# Altium PCB TIDA-010933-RevA.PcbDoc (part 6 of 9)
Units mm, origin at the board's own origin, x right, y up, seen from the top; angles counter-clockwise.
Board outline 230 x 230 mm, 4 copper layers (Top Layer, Layer 1, Layer 2, Bottom Layer), stack 1.637 mm thick; 776 components, 394 nets, 2295 pads, 2783 vias.
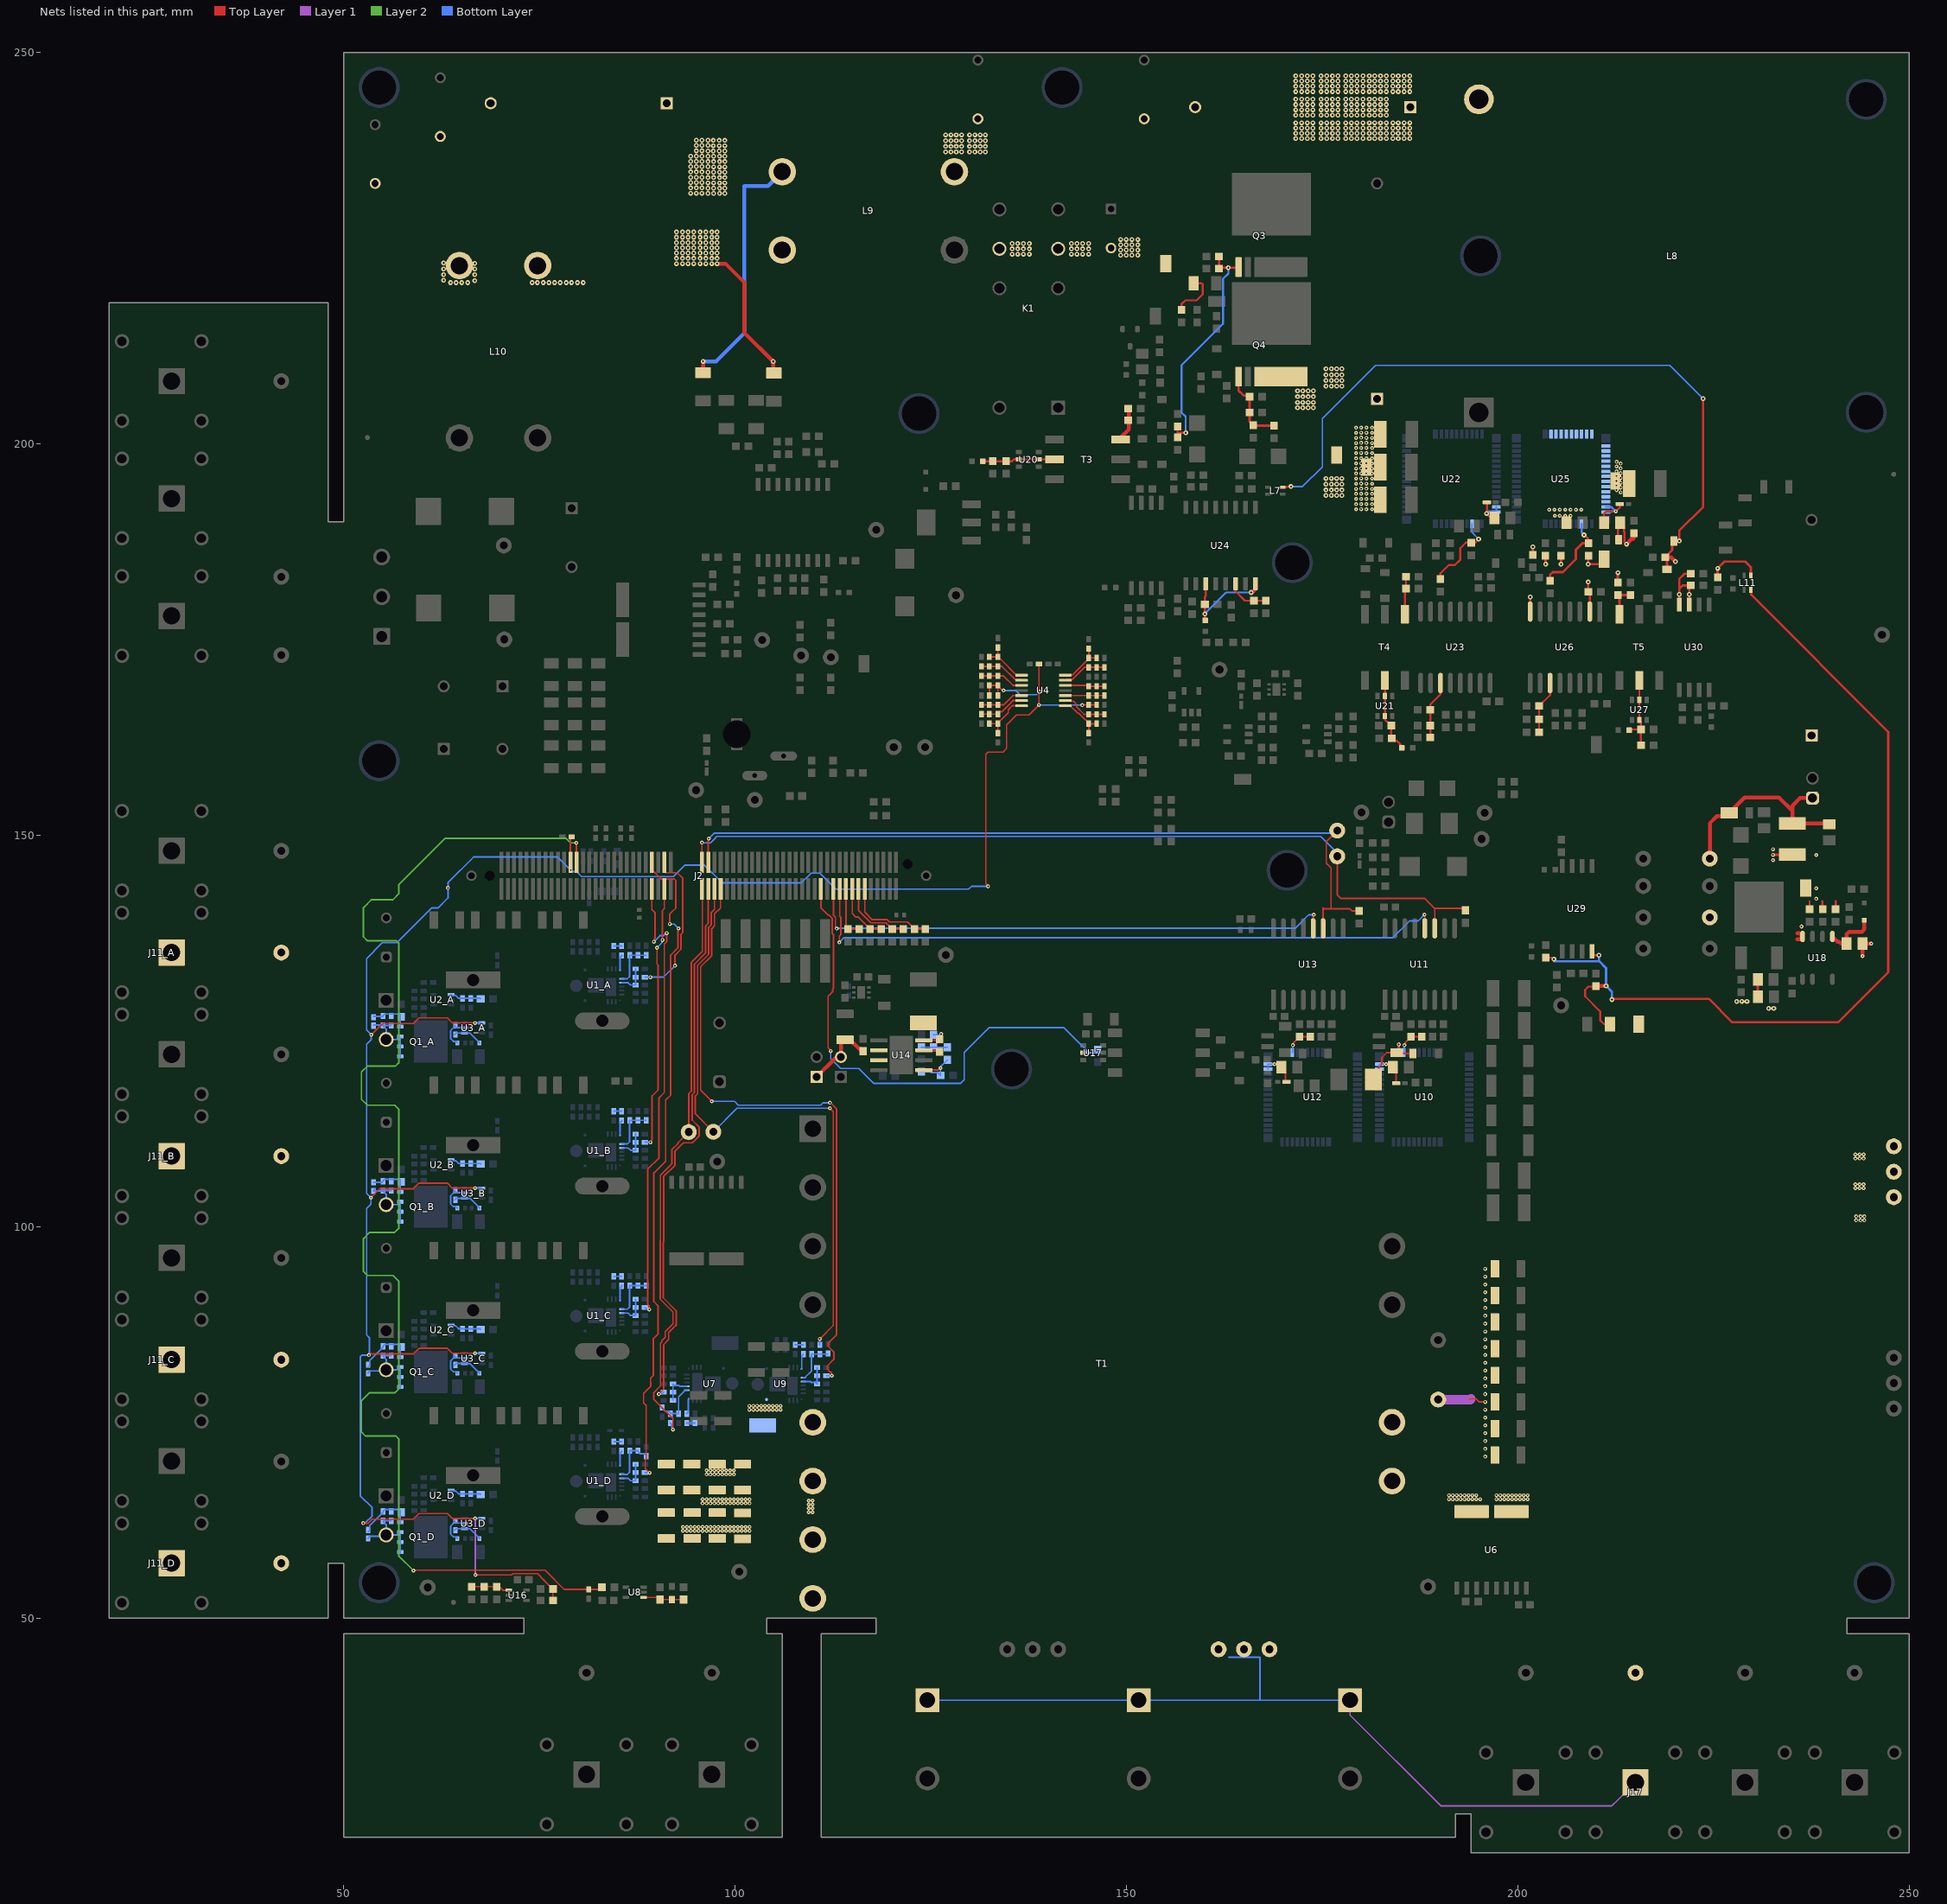
[diagram p8: the nets of this part, all layers, seen from the top]

## Via types
v1: diameter 0.5, hole 0.2, Top Layer to Bottom Layer, tented both sides, 1458 vias
v2: diameter 0.61, hole 0.254, Top Layer to Bottom Layer, tented both sides, 1311 vias
v3: diameter 0.63, hole 0.33, Top Layer to Bottom Layer, 6 vias
v4: diameter 0.5, hole 0.2, Top Layer to Bottom Layer, 4 vias
v5: diameter 0.61, hole 0.203, Top Layer to Bottom Layer, tented both sides, 4 vias

## Nets (pads, with @x,y where several pads share a name; then routed paths per layer and width w, separated by ;. In a path a pad name is that pad's centre, name@x,y a point inside that pad or via, vN(x,y) a via of type N, cw(c..) or ccw(c..) an arc to the next point about the centre after c; other vN are vias at no path point) (continued)
HVN: C118.2 C119.2 C151.2 C152.1 C153.1 C155.1 C157.2 C159.2 C161.1 C166.2 C171.1 C172.1 C173.1 C174.2 C175.1 C178.2 C179.1 C180.2 C181.2 C182.2 C193.2 C195.2 D30.2 D31.2 J17.1 L6.1 L7.2 L11.1 L11.2 Q4.3-4-5-6-7-8 R83.1 R84.1 R85.1 R86.1 R87.1 R115.2 R116.1 R138.1 R140.2 R144.1 TP19.1 TP27.1 TP28.1 TP29.1 TP30.1 TP36.1 TP37.1 TP39.1 TP40.1 TP57.1 TP64.1 TP65.1 TP71.1 TP72.1 U18.4 U25.18 U25.19 U25.20 U25.21 U25.22 U25.23 U25.24 U25.25 U25.26 U25.28 U25.29 U25.30 U25.31 U25.32 U25.33 U25.34 U25.35 U25.36 U25.37 U25.38 U25.39 U26.2 U26.8 U29.4 U30.3 U30.4 | length 366.9
  Top Layer w0.254: L7.2@169.925,194.425 170.376,194.425 170.48,194.529 v2(171,194.529) ; C151.2@201.9,185.8 v2(201.899,186.823) ; C195.2@203.55,134.35 204.279,134.35 204.479,134.15 v2(204.575,134.15) ; U29.4@209.455,134.9 209.705,134.65 v2(210.351,134.65) ; R144.1@209.971,130.724 209.907,130.66 208.972,130.66 208.562,130.25 208.562,129.404 210.5,127.466 210.5,126.335 210.992,125.843 R140.2@211.75,125.843 ; L6.1@212.775,188 212.775,189.659 C159.2@213.016,189.9 213.524,189.392 213.524,188.785 213.581,188.728 213.581,187.443 v2(213.853,187.171) ; R87.1@237.25,140.55 237.25,141.55 ; 238.885,141.55 238.885,140.581 R86.1@238.916,140.55 ; R85.1@240.557,140.55 240.586,140.579 240.586,141.55
  Top Layer w0.305: U26.8@201.555,178.565 v2(201.555,180.436) ; C155.1@203.5,185.7 203.524,185.676 v2(203.524,184.611) ; v2(205.5,184.611) R115.2@205.5,185.7 ; v2(208.946,182.334) 208.946,181.167 C152.1@209.009,181.103 209.175,180.938 U26.2@209.175,178.565 ; C157.2@209,185.7 208.946,185.646 v2(208.946,184.611) 210.436,184.611 210.984,185.159 TP72.1@210.984,185.239 ; v2(212,129) 212.058,129.058 212.274,129.058 212.311,129.095 224.388,129.095 227.388,126.095 240.904,126.095 247.3,132.491 247.3,163.186 229.783,180.703 229.783,181.289 L11.2@229.735,181.336 ; C166.2@212.75,182.27 212.75,183.508 v2(212.775,183.533) ; D31.2@219.025,183.945 219.025,185.275 C161.1@218.8,185.5 219.703,186.403 219.703,187.574 v2(220.595,187.574) 220.595,188.895 223.65,191.95 v2(223.65,205.75) ; U30.4@220.595,179.45 220.595,181.456 ; U30.3@221.865,179.45 v2(221.865,180.74) 221.865,181.712 222.049,181.896 221.035,181.896 220.595,181.456 ; R138.1@222.05,183.397 221.285,183.397 220.595,182.707 220.595,181.456 ; C193.2@225.5,182.936 v2(225.5,184.089) 226.361,184.95 229.017,184.95 229.735,184.232 L11.1@229.735,183.186 ; R84.1@230.634,131.571 230.634,129.392 R83.1@230.655,129.371 ; v1(232.572,147.489) 232.577,147.493 C118.2@235.05,147.493
  Top Layer w0.5: R144.1@209.971,130.724 v2@211.223,130.724 ; v2(213.853,187.171) 214.497,187.815 214.634,187.815 214.807,187.989 R116.1@214.807,188.565 ; C161.1@218.8,185.5 219.555,185.5 v2(220.105,184.95) ; 235.693,136.715 235.96,136.715 235.985,136.69 U18.4@236.345,137.05 235.939,137.456 235.714,137.456 235.693,137.477 ; v1@244.023,134.55 C119.2@244.023,136.147 v1@245.133,136.147
  Layer 1 w0.2: C175.1@178.543,39.5 178.543,37.585 190.127,26 212,26 212.712,26.712 J17.1@215,29
  Bottom Layer w0.2: C179.1@124.543,39.5 C173.1@151.543,39.5 167,39.5 ; 163.043,44.98 167.043,44.98 167.043,39.543 167,39.5 ; v2(171,194.529) 172.479,194.529 175,197.05 175,203.2 175.045,203.245 175.045,203.26 181.785,210 219.4,210 v2(223.65,205.75) ; C175.1@178.543,39.5 167,39.5
  Bottom Layer w0.254: v2@204.575,133.9 210.351,133.9 v2(210.351,134.65)
  Bottom Layer w0.305: 210.351,133.9 211.25,133.001 v2(211.25,130.75) 212,130 v2(212,129)
  other v1: 243.2,100.8 243.75,100.8 244.25,100.8 243.2,101.3 243.75,101.3 244.25,101.3 243.1,104.9 243.65,104.9 244.15,104.9 243.1,105.4 243.65,105.4 244.15,105.4 243.1,108.7 243.65,108.7 244.15,108.7 243.1,109.2 243.65,109.2 244.15,109.2 244.019,134.546 245.129,136.143 236.214,138.328 238.087,141.87 238.091,143.224 232.568,146.796 238.096,147.471 232.568,148.196 204.702,190.8 205.337,190.8 206.023,190.8 206.708,190.8 203.965,191.562 204.651,191.562 205.337,191.562 206.023,191.562 206.708,191.562 207.394,191.562 208.08,191.562 179.308,191.619 181.351,191.619 179.965,191.638 180.628,191.632 179.308,192.269 179.965,192.288 180.628,192.282 181.351,192.269 179.308,192.94 181.351,192.94 179.965,192.958 180.628,192.953 179.308,193.59 179.965,193.608 180.628,193.603 181.351,193.59 213.119,193.797 212.587,194.082 179.308,194.24 181.351,194.24 179.965,194.258 180.628,194.253 213.119,194.406 212.587,194.652 179.308,194.89 180.628,194.903 181.351,194.89 179.965,194.908 213.119,195.016 212.587,195.246 179.308,195.54 181.351,195.54 179.965,195.558 180.628,195.553 213.119,195.625 212.587,195.871 179.308,196.19 181.351,196.19 179.965,196.208 180.628,196.203 213.119,196.235 212.587,196.465 179.308,196.825 181.351,196.825 179.965,196.844 180.628,196.838 213.119,196.845 212.587,197.09 213.119,197.454 179.308,197.475 179.965,197.494 180.628,197.488 181.351,197.475 212.587,197.684 179.308,198.125 181.351,198.125 179.965,198.144 180.628,198.138 179.308,198.796 179.965,198.814 180.628,198.809 181.351,198.796 179.308,199.446 181.351,199.446 179.965,199.464 180.628,199.459 179.308,200.096 180.628,200.109 181.351,200.096 179.965,200.114 179.308,200.746 181.351,200.746 179.965,200.764 180.628,200.759 179.308,201.396 180.628,201.409 181.351,201.396 179.965,201.414 179.308,202.046 179.965,202.064 180.628,202.059 181.351,202.046
  other v2: 232.007,127.852 232.667,127.852 227.925,128.743 228.586,128.768 229.246,128.768 220.595,180.765 175.477,193.388 176.152,193.388 176.826,193.388 177.5,193.388 175.477,194.086 176.152,194.086 176.826,194.086 177.5,194.086 175.477,194.823 176.152,194.823 176.826,194.823 177.5,194.823 175.477,195.57 176.152,195.57 176.826,195.57 177.5,195.57 171.835,204.581 172.509,204.581 173.183,204.581 173.857,204.581 171.835,205.279 172.509,205.279 173.183,205.279 173.857,205.279 171.835,206.016 172.509,206.016 173.183,206.016 173.857,206.016 171.835,206.763 172.509,206.763 173.183,206.763 173.857,206.763 175.477,207.368 176.152,207.368 176.826,207.368 177.5,207.368 175.477,208.066 176.152,208.066 176.826,208.066 177.5,208.066 175.477,208.803 176.152,208.803 176.826,208.803 177.5,208.803 175.477,209.55 176.152,209.55 176.826,209.55 177.5,209.55
IREF: C24.1 C25.2 C31.1 C34.2 C109.1 C110.1 J2.24 R19.2 R29.2 R34.1 R72.2 U3_A.1 U3_B.1 U3_C.1 U3_D.1 | length 300.3
  Top Layer w0.2: v1(52.474,62.111) 53.122,62.111 53.639,62.628 58.866,62.628 58.949,62.712 58.963,62.712 59.598,63.346 63.222,63.346 63.854,62.715 v1(66.768,62.715) ; v1@53.201,83.728 58.88,83.728 59.598,84.446 63.222,84.446 63.854,83.815 v1(66.768,83.815) ; v1(53.45,103.69) 54.588,104.828 58.88,104.828 59.598,105.546 63.222,105.546 63.854,104.915 v1(66.768,104.915) ; v1(53.5,124.5) 54.928,125.928 58.88,125.928 59.598,126.646 63.222,126.646 63.854,126.015 v1(66.768,126.015) ; v1(66.8,55.5) 71.4,55.5 71.5,55.6 71.543,55.6 71.599,55.656 74.744,55.656 75.55,54.85 75.55,54.825 76.675,53.7 C109.1@76.7,53.7 R72.2@76.7,52.25 ; v1(78.975,145.535) 78.943,145.567 J2.24@78.943,146.522 78.943,149.643 C110.1@79.1,149.8 ; v1(132.3,143.461) 132.3,143.542 132,143.842 132,160.336 132.264,160.6 134.198,160.6 134.666,161.068 134.666,164.089 135.932,165.355 137.521,165.355 v1(138.8,166.634) v1@138.8,168.157 ; R34.1@132.464,167.834 R29.2@132.464,169.134 C31.1@133.564,169.134 C31.1@133.564,169.034 ; C34.2@133.564,167.834 C31.1@133.564,169.034 ; v1(134.266,168.484) 134.209,168.541 134.056,168.541 C31.1@133.564,169.034 ; v1@138.8,168.519 C24.1@138.8,171.863 ; v1(144.336,166.594) 144.376,166.634 C25.2@145.164,166.634 R19.2@146.164,166.634
  Layer 1 w0.2: v1(66.768,62.715) 66.784,62.699 66.784,55.516 v1(66.8,55.5)
  Bottom Layer w0.2: v1(52.474,62.111) 52.532,62.169 52.747,62.169 53.6,63.022 53.6,64.1 52.1,65.6 52.1,83.363 52.316,83.578 v1(53.201,83.578) 53.25,83.627 53.25,85.816 52.9,86.166 52.9,102.297 53.418,102.815 53.418,102.911 53.45,102.942 v1(53.45,103.69) 52.9,104.24 52.9,123.27 53.5,123.87 v1(53.5,124.5) 52.9,125.1 52.9,134.235 54.915,136.25 56.76,136.25 61.2,140.69 62.018,140.69 63.3,141.972 v1(63.3,143.25) ; v1(63.3,143.25) 63.3,143.936 66.563,147.2 77.31,147.2 v1(78.975,145.535) 79.166,145.344 79.719,145.344 80.363,144.7 92.094,144.7 93.544,146.15 96.081,146.15 98.331,143.9 108.445,143.9 109.695,145.15 110.816,145.15 112.866,143.1 129.82,143.1 130.181,143.461 v1(132.3,143.461) ; v1(66.768,62.715) U3_D.1@67.525,62.715 ; v1(66.768,83.815) U3_C.1@67.525,83.815 ; v1(66.768,104.915) U3_B.1@67.525,104.915 ; v1(66.768,126.015) U3_A.1@67.525,126.015 ; v1(134.266,168.484) 135.799,168.484 136.349,167.934 138.496,167.934 v1(138.9,168.338) ; v1(138.8,166.634) 138.82,166.614 144.316,166.614 v1(144.336,166.594)
ISO_PWR_EN: C115.1 J2.95 U17.5 | length 64.9
  Top Layer w0.2: J2.95@110.943,143.122 110.943,140.707 111.857,139.793 111.978,139.793 112.4,139.372 112.4,137.408 112.535,137.273 112.535,130.435 112.45,130.35 112.45,130.016 111.85,129.416 111.85,122.853 112.2,122.503 v1(112.2,122.425) v1@112.2,122.4
  Bottom Layer w0.2: v1(112.2,122.425) 112.2,121.45 113.445,120.205 115.77,120.205 117.675,118.3 128.8,118.3 129.25,118.75 129.25,122.25 132.4,125.4 142,125.4 v1@145.2,122.2 ; v1(145.094,122.2) 145.945,122.2 146.32,122.575 C115.1@146.32,122.6
LI_BOOST1: J2.54 R14_A.1 | length 19.9
  Top Layer w0.2: J2.54@90.943,146.522 90.943,145.35 91.093,145.2 92.566,145.2 93.293,144.473 93.293,137.556 93.063,137.326 93.063,135.439 92.295,134.671 v1(92.295,133.312)
  Bottom Layer w0.2: R14_A.1@88.461,131.866 v1(89.161,131.866) 90.849,131.866 v1(92.295,133.312)
LI_BOOST2: J2.53 R14_B.1 | length 33.9
  Top Layer w0.2: v1(89.161,110.766) 89.161,110.844 89.366,111.049 89.366,116.68 90.145,117.46 90.145,133.377 89.995,133.527 v1(89.995,135.624) ; v1(90.693,136.61) 90.693,140.349 90.943,140.599 J2.53@90.943,143.122
  Bottom Layer w0.2: R14_B.1@88.461,110.766 v1(89.161,110.766) ; v1(89.995,135.624) 90.636,136.264 90.636,136.553 v1(90.693,136.61)
LI_BOOST3: J2.49 R14_C.1 | length 58.8
  Top Layer w0.2: v1(89.026,89.416) 88.969,89.473 88.969,89.91 88.8,90.079 88.8,107.317 90.253,108.77 90.253,116.436 90.945,117.129 90.945,136.085 91.243,136.382 v1(91.243,137.496) ; J2.49@89.343,143.122 89.343,140.5 89.743,140.1 89.743,136.851 89.65,136.759 89.65,136.44 v1(89.593,136.382)
  Bottom Layer w0.2: R14_C.1@88.461,89.666 88.661,89.466 v1@88.901,89.466 ; v1(89.593,136.382) 90.371,137.16 90.826,137.16 91.162,137.496 v1(91.243,137.496)
LI_BOOST4: J2.50 R14_D.1 | length 84.5
  Top Layer w0.2: v1(89.054,68.538) 88.511,69.081 88.511,70.2 88.611,70.3 88.611,77.143 88.297,77.456 88.297,78.676 89.184,79.563 89.184,80.095 89.176,80.103 89.176,80.635 89.543,81.003 89.543,85.678 90.125,86.259 90.125,89.886 89.6,90.41 89.6,106.847 91.1,108.347 91.1,116.152 91.745,116.797 91.745,134.686 92.663,135.604 92.663,138.005 v1(92.743,138.084) ; J2.50@89.343,146.522 89.343,145.591 90.534,144.4 92.193,144.4 92.4,144.193 92.4,140.692 91.643,139.935 v1(91.643,138.652)
  Bottom Layer w0.2: R14_D.1@88.489,68.538 v1(89.054,68.538) ; v1(91.643,138.652) 91.66,138.634 92.193,138.634 v1(92.743,138.084)
LLC_HI1: J2.57 R46.1 TP1.1 | length 74.7
  Top Layer w0.2: v1(92.043,74.058) 92.043,75.466 89.593,77.916 89.593,78.791 90.452,79.649 90.452,85.08 90.612,85.241 90.612,85.403 91.054,85.845 91.054,86.564 92.05,87.56 92.05,89.092 90.4,90.742 90.4,98.248 90.445,98.294 90.445,106.561 91.9,108.016 91.9,109.793 92.676,110.569 92.676,110.699 TP1.1@94.05,112.074 94.05,116.963 94.381,117.294 94.381,133.718 95.796,135.133 95.796,141.847 95.743,141.9 J2.57@95.743,143.122
  Bottom Layer w0.2: R46.1@91.693,74.9 91.893,74.7 91.893,74.289
LLC_HI2: J2.61 R52.1 TP2.1 | length 80.2
  Top Layer w0.2: TP2.1@97.2,112.1 94.9,114.4 94.9,116.682 95.181,116.963 95.181,133.362 96.596,134.776 96.596,138.213 96.943,138.56 96.943,140.102 97.343,140.502 J2.61@97.343,143.122 ; v1(110.8,85.65) 112.529,87.379 112.529,114.671 112.1,115.1 112.105,115.105 v1(112.105,115.109)
  Bottom Layer w0.2: TP2.1@97.2,112.094 TP2.1@97.2,112.1 100.209,115.109 v1(112.105,115.109) ; R52.1@110.8,84.9 v1(110.8,85.65)
LLC_LI1: J2.59 R48.1 | length 70.6
  Top Layer w0.2: v1(90.243,78.6) 90.852,79.208 90.852,84.915 91.5,85.563 91.5,86.444 92.45,87.394 92.45,89.257 90.8,90.907 90.8,98.006 90.845,98.051 90.845,106.395 92.3,107.85 92.3,109.628 93.372,110.699 94.537,110.699 95.366,111.528 95.366,112.734 94.5,113.6 94.5,116.847 94.781,117.129 94.781,133.527 96.196,134.942 96.196,138.379 96.543,138.726 J2.59@96.543,143.122
  Bottom Layer w0.2: v1(90.243,78.6) 90.293,78.65 90.643,78.65 R48.1@90.843,78.85
LLC_LI2: J2.63 R54.1 | length 81.5
  Top Layer w0.2: v1(96.996,116) 95.581,117.414 95.581,133.196 96.996,134.61 96.996,138.047 97.343,138.394 97.343,139.936 98.105,140.698 98.105,143.084 J2.63@98.143,143.122 ; v1(112.105,115.809) 112.182,115.809 112.929,115.062 112.929,86.157 111.9,85.128 111.9,84.672 112.6,83.972 112.6,83.028 111.778,82.206 111.778,81.75 112.1,81.428 112.194,81.428 112.311,81.311 112.311,80.967 v1(112.328,80.95)
  Bottom Layer w0.2: v1(96.996,116) 99.909,116 100.4,115.509 110.9,115.509 111.2,115.809 v1(112.105,115.809) ; R54.1@111.65,80.95 v1(112.328,80.95)
LLC_SR_F\A\U\L\T\_H: C84.1 J2.105 R58.1 | length 7.7
  Top Layer w0.2: J2.105@114.943,143.122 114.943,139.994 115.4,139.537 115.716,139.537 117.229,138.025 R58.1@117.229,138 C84.1@118.643,138
LLC_SR_F\A\U\L\T\_L: C96.1 J2.109 R63.1 | length 11.6
  Top Layer w0.2: J2.109@116.543,143.122 116.543,140.166 117.509,139.2 119.408,139.2 119.708,138.9 122.011,138.9 122.886,138.025 R63.1@122.886,138 124.1,138 C96.1@124.3,138
LLC_SR_H: C218.1 J2.58 TP5.1 U11.11 | length 110.1
  Top Layer w0.2: J2.58@95.743,146.522 95.743,149.032 v1(95.76,149.049) ; TP5.1@176.9,147.293 176.9,142.376 177.376,141.9 188.086,141.9 189.356,140.63 ; U11.11@189.356,138.09 189.356,140.63 ; C218.1@193.3,140.4 193.07,140.63 189.356,140.63
  Bottom Layer w0.2: v1(95.76,149.049) 95.803,149.006 96.829,149.006 97.5,149.677 97.5,149.724 97.617,149.841 174.807,149.841 176.9,147.749 TP5.1@176.9,147.293
LLC_SR_L: C219.1 J2.60 TP6.1 U13.11 | length 101.9
  Top Layer w0.2: J2.60@96.543,146.522 96.543,149.498 v1(96.601,149.556) ; U13.11@175.106,138.09 175.106,140.7 175.206,140.6 178.5,140.6 178.8,140.3 C219.1@179.7,140.3 ; 176.106,140.7 176.106,145.794 175.5,146.4 175.5,149.186 TP6.1@176.9,150.586
  Bottom Layer w0.2: v1(96.601,149.556) 97.286,150.241 176.555,150.241 TP6.1@176.9,150.586
LLC_SR_O\C\_H: C85.1 J2.103 R59.1 | length 6.6
  Top Layer w0.2: J2.103@114.143,143.122 114.143,138.257 R59.1@114.4,138 C85.1@115.814,138
LLC_SR_O\C\_L: C95.1 J2.107 R62.1 | length 9.4
  Top Layer w0.2: J2.107@115.743,143.122 115.743,140.4 117.343,138.8 119.242,138.8 120.042,138 R62.1@120.057,138 C95.1@121.471,138
LLC_SR_TMP_H: J2.99 U13.12 | length 68.7
  Top Layer w0.2: J2.99@112.543,143.122 112.543,139.794 112.8,139.537 112.8,138.176 112.917,138.059 v1(112.95,138.059) ; U13.12@173.836,138.09 173.836,139.767 v1(173.9,139.831)
  Bottom Layer w0.2: v1(112.95,138.059) 113.235,138.059 113.277,138.1 171.541,138.1 173.273,139.831 v1(173.9,139.831)
LLC_SR_TMP_L: J2.101 U11.12 | length 85
  Top Layer w0.2: v1(113.3,136.3) 113.3,137.081 113.5,137.281 113.5,139.461 113.343,139.618 J2.101@113.343,143.122 ; v1(188.053,139.839) 188.086,139.807 U11.12@188.086,138.09
  Layer 1 w0.2: v1@188,139.835 188.049,139.835 v1(188.053,139.839)
  Bottom Layer w0.2: v1(113.3,136.3) 113.9,136.9 183.992,136.9 186.14,139.048 187.262,139.048 v1(188.053,139.839)
LLC_VS: C53.1 J2.26 R43.2 | length 172.8
  Top Layer w0.2: v1(58.895,56.047) 58.948,56.1 75.699,56.1 78.149,53.65 C53.1@81.3,53.65 82.663,53.65 R43.2@82.94,53.927 ; v1(79.7,149) 79.721,148.979 79.721,146.543 J2.26@79.743,146.522
  Layer 2 w0.2: v1(58.895,56.047) 57,57.943 57,72.886 56.636,73.25 52.75,73.25 52.25,73.75 52.25,77.75 53.25,78.75 56.5,78.75 57,79.25 57,93.04 56.29,93.75 53,93.75 52.5,94.25 52.5,98.466 53.284,99.25 56.5,99.25 57,99.75 57,115 56.5,115.5 53,115.5 52.25,116.25 52.25,119.75 53,120.5 56.601,120.5 57,120.899 57,136.214 56.714,136.5 53,136.5 52.5,137 52.5,140.75 53.5,141.75 56.25,141.75 57,142.5 57,143.643 62.957,149.6 78.355,149.6 78.955,149 v1(79.7,149)
MidNode1: T1.9 T1.10 U6.2
  other v1: 191.16,65.175 191.66,65.175 192.16,65.175 192.66,65.175 193.16,65.175 193.66,65.175 194.16,65.175 194.66,65.175 195.16,65.175 191.16,65.675 191.66,65.675 192.16,65.675 192.66,65.675 193.16,65.675 193.66,65.675 194.16,65.675 194.66,65.675
MidNode2: C62.1 C63.1 C64.1 C65.1 C66.1 C67.1 C68.1 C69.1 TP9.1 U6.1 | length 6.7
  Top Layer w0.2: 193.8,77.9 193.917,78.017 194.609,78.017 195.027,77.6 v1(195.8,77.6) ; v1@195.619,79.7 195.719,79.6 v1(195.8,79.6)
  Layer 1 w1.2: TP9.1@189.8,77.9 193.9,77.9 194,78
  other v1: 197.24,65.175 197.74,65.175 198.24,65.175 198.74,65.175 199.24,65.175 199.74,65.175 200.24,65.175 200.74,65.175 201.24,65.175 197.24,65.675 197.74,65.675 198.24,65.675 198.74,65.675 199.24,65.675 199.74,65.675 200.24,65.675 200.74,65.675 201.24,65.675 195.8,70.6 195.8,71.6 195.8,72.6 195.8,73.6 195.8,74.6 195.8,75.6 195.8,76.6 195.8,78.6 195.8,80.6 195.8,81.6 195.8,82.6 195.8,83.6 195.8,84.6 195.8,85.6 195.8,86.6 195.8,87.6 195.8,88.6 195.8,89.6 195.8,90.6 195.8,91.6 195.8,92.6 195.8,93.6 195.8,94.6
NetC7_A_1: C7_A.1 D1_A.1 Q1_A.4 R5_A.1 R8_A.2 | length 5.3
  Bottom Layer w0.2: D1_A.1@53.8,126.85 54.975,126.85 R8_A.2@55.025,126.9 55.025,126.95 55.225,127.15 57.1,127.15 57.2,127.05 Q1_A.4@57.2,125.34
NetC7_A_2: C7_A.2 D1_A.2 J1_A.2 J11_A.1 Q1_A.1 Q1_A.2 Q1_A.3 R8_A.1 TP51_A.1 | length 8.7
  Bottom Layer w0.2: D1_A.2@53.8,125.75 54.975,125.75 R8_A.1@55.025,125.7 ; J1_A.2@55.25,123.75 J1_A.2@55.3,123.8 ; C7_A.2@56.05,125.7 R8_A.1@55.025,125.7 ; Q1_A.1@57.2,121.53 57.2,124.07 57.045,123.915 56.665,123.915 56.65,123.9 J1_A.2@55.4,123.9 55.4,125.225 55.025,125.6 R8_A.1@55.025,125.7
NetC7_B_1: C7_B.1 D1_B.1 Q1_B.4 R5_B.1 R8_B.2 | length 5.3
  Bottom Layer w0.2: D1_B.1@53.8,105.65 54.875,105.65 R8_B.2@55.025,105.8 55.025,105.85 55.225,106.05 57.1,106.05 57.2,105.95 Q1_B.4@57.2,104.24
NetC7_B_2: C7_B.2 D1_B.2 J1_B.2 J11_B.1 Q1_B.1 Q1_B.2 Q1_B.3 R8_B.1 TP51_B.1 | length 9
  Bottom Layer w0.2: D1_B.2@54,104.85 53.8,104.65 D1_B.2@53.8,104.55 54.975,104.55 R8_B.1@55.025,104.6 C7_B.2@56.05,104.6 ; R8_B.1@55.025,104.5 55.4,104.125 J1_B.2@55.4,102.8 56.65,102.8 56.665,102.815 57.045,102.815 57.2,102.97 Q1_B.1@57.2,100.43 ; J1_B.2@55.25,102.65 J1_B.2@55.3,102.7